# Altium PCB BACKPMANv20.PcbDoc (part 2 of 4)
Units mm, origin at the board's own origin, x right, y up, seen from the top; angles counter-clockwise.
Board outline 113 x 160 mm, 4 copper layers (Component Side, Layer 1, Layer 2, Bottom Layer), stack 1.707 mm thick; 341 components, 232 nets, 1177 pads, 728 vias.
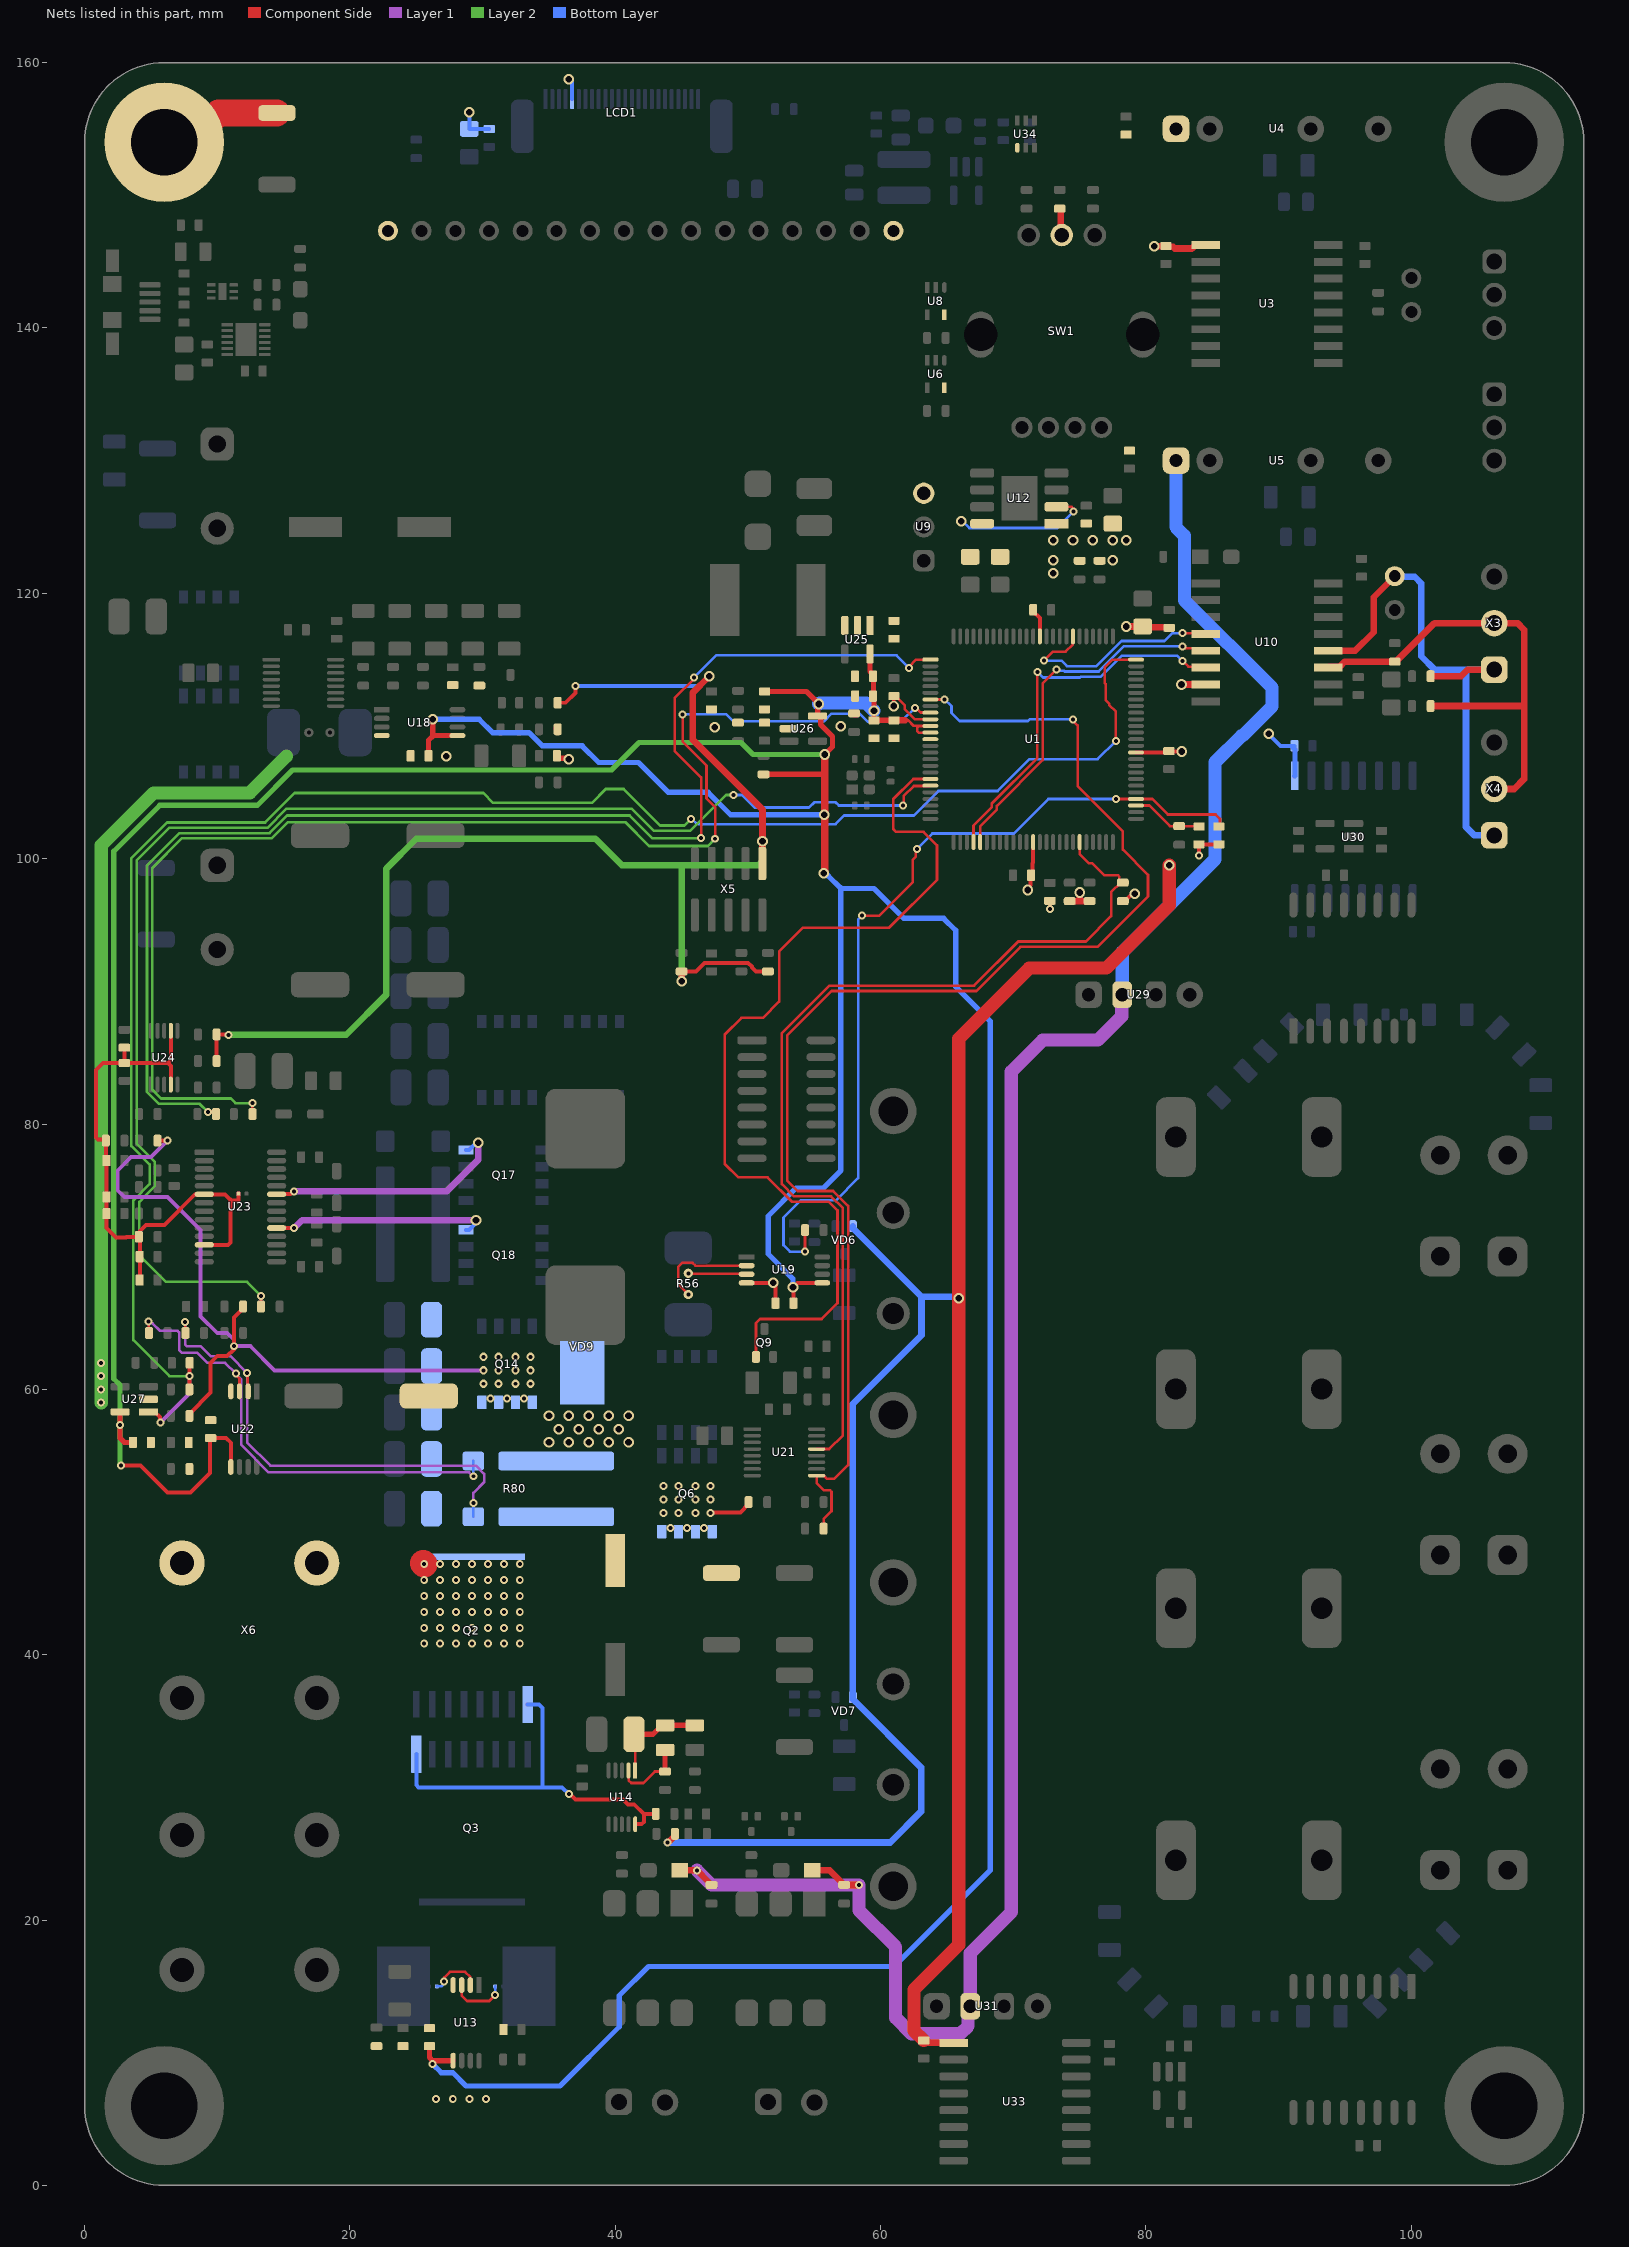
[diagram p4: the nets of this part, all layers, seen from the top]

## Part data (continued)
C26 C29 C51 C52 C76 C77 C87 C88 C97 C98 C103: library part GCM188L81H104KA57D, "0.1µF, ±10%, 50V, X8L, 0603 (1608 Metric), -55°C ~ 150°C, -, Automotive", Manufacturer="Murata Electronics North America", Operating Temperature="-55°C ~ 150°C", Package / Case="0603 (1608 Metric)", PartNum=490-6049-1-ND, Temperature Coefficient=X8L, Tolerance=±10%, Voltage - Rated=50V, Distributor=Digi-Key, Features=-, Part Number=GCM188L81H104KA57D, PartName=GCM188L81H104KA57D, Price=0.06240
C27 C53: "330 uF, 50V, 120 mOhm @ 100kHz, 585 mA, 10x10, -50...+105 C", Manufacturer="Panasonic Electronic Components", Tolerance=±20%, Voltage="50 V", Distributor=Digi-Key, PartName=EEE-FT1H331GP, PartNum=EEE-FT1H331GP, Price=1.22$
C28 C54 C62 C63 C64 C65 C66 C69 C70 C71 C72 C73 C75: library part C3225X7S1H106K250AB, "10µF, ±10%, 50V, X7S, 1210 (3225 Metric), -55°C ~ 125°C, Low ESL, General Purpose", Manufacturer="TDK Corporation", Operating Temperature="-55°C ~ 125°C", Package / Case="1210 (3225 Metric)", PartNum=445-4536-1-ND, Temperature Coefficient=X7S, Tolerance=±10%, Voltage - Rated=50V, Distributor=Digi-Key, Features="Low ESL", PartName=C3225X7S1H106K250AB, Part Number=C3225X7S1H106K250AB, Price=0.71160
C33 C34: "47 pF, 50V, 5%, NP0 SMD, -55°C ~ 150°C, 0603", Manufacturer="TDK Corporation", PartNum=445-14081-1-ND, Tolerance=5%, Voltage="50 V", Distributor=Digi-Key, PartName=C1608NP01H470J080AA, Price=0.04$
C47: "10 uF, 6.3V, X5R, 10%, 0805", Manufacturer=Murata, PartNum=490-1717-1-ND, Tolerance=10%, Voltage=6.3V, Distributor=Digi-Key, PartName=GRM21BR60J106KE19L, Price=0.4$
C55 C56: library part CL10B102KB8NNWC, "1000pF, ±10%, 50V, X7R, 0603 (1608 Metric), -55°C ~ 125°C, -, General Purpose", Manufacturer="Samsung Electro-Mechanics", Operating Temperature="-55°C ~ 125°C", Package / Case="0603 (1608 Metric)", PartNum=1276-1915-1-ND, Temperature Coefficient=X7R, Tolerance=±10%, Voltage - Rated=50V, Distributor=Digi-Key, Features=-, PartName=CL10B102KB8NNWC, Part Number=CL10B102KB8NNWC, Price=0.01410
C60 C104 C105 C106 C108 C109: library part CL10B105KO8NNNC, "1µF, ±10%, 16V, X7R, 0603 (1608 Metric), -55°C ~ 125°C, -, General Purpose", Manufacturer="Samsung Electro-Mechanics", Operating Temperature="-55°C ~ 125°C", Package / Case="0603 (1608 Metric)", PartNum=1276-1019-1-ND, Temperature Coefficient=X7R, Tolerance=±10%, Voltage - Rated=16V, Distributor=Digi-Key, Features=-, PartName=CL10B105KO8NNNC, Part Number=CL10B105KO8NNNC, Price=0.02250
C61 C67 C68: "220 uF, 50V, 13 mOhm, 3.7 A 100kHz, 16.8 mm height, 10.3x10.3 mm, -55...+105 C", Manufacturer="Panasonic Electronic Components", PartNum=P124104CT-ND, Tolerance=±20%, Voltage="50 V", Distributor=Digi-Key, PartName=EEH-ZS1H221P, Price=2.54$
C78: library part 885012006054, "33pF, ±5%, 50V, C0G, NP0, 0603 (1608 Metric), -55°C ~ 125°C, -, General Purpose", Manufacturer="Wurth Electronics Inc.", Operating Temperature="-55°C ~ 125°C", Package / Case="0603 (1608 Metric)", PartNum=732-7796-1-ND, Temperature Coefficient="C0G, NP0", Tolerance=±5%, Voltage - Rated=50V, Distributor=Digi-Key, Features=-, PartName=885012006054, Part Number=885012006054, Price=0.02150
C79: library part CL10C300JB8NCNC, "30pF, ±5%, 50V, C0G, NP0, 0603 (1608 Metric), -55°C ~ 125°C, -, General Purpose", Manufacturer="Samsung Electro-Mechanics", Operating Temperature="-55°C ~ 125°C", Package / Case="0603 (1608 Metric)", PartNum=1276-2260-1-ND, Temperature Coefficient="C0G, NP0", Tolerance=±5%, Voltage - Rated=50V, Distributor=Digi-Key, Features=-, Part Number=CL10C300JB8NCNC, PartName=CL10C300JB8NCNC, Price=0.01670
C80 C81: library part C0603C103K3RACTU, "10000pF, ±10%, 25V, X7R, 0603 (1608 Metric), -55°C ~ 125°C, -, General Purpose", Manufacturer=KEMET, Operating Temperature="-55°C ~ 125°C", Package / Case="0603 (1608 Metric)", PartNum=399-7840-1-ND, Temperature Coefficient=X7R, Tolerance=±10%, Voltage - Rated=25V, Distributor=Digi-Key, Features=-, Part Number=C0603C103K3RACTU, PartName=C0603C103K3RACTU, Price=0.01690
C82 C83 C85: library part GRM188R71C224KA01J, "0.22µF, ±10%, 16V, X7R, 0603 (1608 Metric), -55°C ~ 125°C, -, General Purpose", Manufacturer="Murata Electronics North America", Operating Temperature="-55°C ~ 125°C", Package / Case="0603 (1608 Metric)", PartNum=490-11513-1-ND, Temperature Coefficient=X7R, Tolerance=±10%, Voltage - Rated=16V, Distributor=Digi-Key, Features=-, Part Number=GRM188R71C224KA01J, PartName=GRM188R71C224KA01J, Price=0.06940
C84: library part C1608X5R1E106M080AC, "10µF, ±20%, 25V, X5R, 0603 (1608 Metric), -55°C ~ 85°C, Low ESL, General Purpose", Manufacturer="TDK Corporation", Operating Temperature="-55°C ~ 85°C", Package / Case="0603 (1608 Metric)", PartNum=445-9015-1-ND, Temperature Coefficient=X5R, Tolerance=±20%, Voltage - Rated=25V, Distributor=Digi-Key, Features="Low ESL", PartName=C1608X5R1E106M080AC, Part Number=C1608X5R1E106M080AC, Price=0.48300
C95 C96 C100: library part EMK107BJ105KA-T, "1µF, ±10%, 16V, X5R, 0603 (1608 Metric), -55°C ~ 85°C, -, General Purpose", Manufacturer="Taiyo Yuden", Operating Temperature="-55°C ~ 85°C", Package / Case="0603 (1608 Metric)", PartNum=587-1251-1-ND, Temperature Coefficient=X5R, Tolerance=±10%, Voltage - Rated=16V, Distributor=Digi-Key, Features=-, Part Number=EMK107BJ105KA-T, PartName=EMK107BJ105KA-T, Price=0.02330
C101 C102: library part CC0603JRX7R9BB473, "0.047µF, ±5%, 50V, X7R, 0603 (1608 Metric), -55°C ~ 125°C, -, General Purpose", Manufacturer=Yageo, Operating Temperature="-55°C ~ 125°C", Package / Case="0603 (1608 Metric)", PartNum=311-4019-1-ND, Temperature Coefficient=X7R, Tolerance=±5%, Voltage - Rated=50V, Distributor=Digi-Key, Features=-, Part Number=CC0603JRX7R9BB473, PartName=CC0603JRX7R9BB473, Price=0.03660
C113 C114: "4700pF ±10% 1000V (1kV) Ceramic Capacitor X7R 0805 (2012 Metric),-55°C ~ 125°C", Manufacturer=KEMET, PartNum=399-6470-1-ND, Tolerance=10%, Voltage=1000V, Distributor=Digi-Key, PartName=C0805V472KDRACTU, Price=0.3$
E3 E4: library part "823 560 501 01", "SUPPRESSOR ESD 5VDC, 56pF,  0603, -40..+85C", Manufacturer="Würth Elektronik", Voltage=5V, Distributor="Würth Elektronik", PartName="823 560 505 60", PartNum="823 560 505 60"
F1: "PTC RESETTABLE 60V 750MA, It=1.5A, 0.3s 2920(7351)", Manufacturer="Bel Fuse Inc.", PartNum=507-1743-1-ND, Distributor=Digi-Key, PartName=0ZCF0075AF2C
J1 J2: library part Jumper, "2 Pos. 2.54 mm Single Row Through Hole Straight Pin Header", Manufacturer="ADAM TECH", Distributor=Future, PartName=PH1-02-TA-HT, PartNum=PH1-02-TA-HT, Price="0.02 Euro"
  J2: Price50="0.02 Euro", Price100="0.02 Euro", Price1000="0.02 Euro"
K1 K2: "General Purpose Relay 3PST-2NO/1NC (2 Form A, 1 Form B) 24VDC Coil Through Hole, Coil Resistance 306 Ohms, Contact Rating (Current) 35A, -40°C ~ 55°C", Manufacturer="Panasonic Electric Works", PartNum=255-5914-ND, Distributor=Digi-Key, PartName=AHES4292, Price=21.7
L1: "10uH, 890 mA, 0.228 Ohm, +-20%,- 40 C to + 105 C", Manufacturer="TDK Corporation", PartNum=445-6681-1-ND, Tolerance=±20%, Distributor=Mouser, PartName=VLS4012ET-100M
L3 L6: "Ferrite bead, 330 Ohm, 100 MHz,  1.5 A, 0.07 Ohm", Manufacturer="Murata Electronics North America", Tolerance=25%, Distributor=Future, PartName=BLM18SG331TN1D, PartNum=BLM18SG331TN1D, Price="0.03 Euro"
L4: "FERRITE BEAD 600 OHM, 0805, -55°C ~ 125°C", Manufacturer="TDK Corporation", PartNum=445-2206-1-ND, Distributor=Digi-Key, PartName=MPZ2012S601AT000, Price=0.05$
L5: "2.6 uH, 31.5 A, ±20%, 1.58 mOhm, -40°C ~ 125°C", Manufacturer="Würth Elektronik", PartNum=732-2170-1-ND, Tolerance=±20%, Distributor=Digi-Key, PartName=7443556260, Price=5.35$
LCD1: "1.5\"OLED Display Serial 128x64 Module,SSD1309,White on Black", Manufacturer="Orient Display", PartName=AOM12864A0-1.54WW, PartNum=2544-AOM12864A0-1.54WW-ND, Distributor=Digi-Key
LED1 LED2 LED13 LED17: "0805 red LED, hibright, 2 mA, 1.8V, 130°", Manufacturer=Rohm, PartNum=511-1292-1-ND, Distributor=Digi-Key, PartName=SML-211UTT86, Price=0.34$
OPT1 OPT2: "Opto relay, SPST-NO, AC DC, 250 mOhm, 2A, 0-60V, 6-SMD, -55..50C", Manufacturer="Vishay Semiconductor Opto Division", PartNum=VO14642AABCT-ND, Distributor=DigiKey, PartName=VO14642AABTR, Price=2.9$
Q1 Q4: "NPN 50V 100MA SOT-523F", Manufacturer="Fairchild Semiconductor", PartNum=FJY3002RCT-ND, Distributor=Digi-Key, Price=0.11$
Q2 Q3: library part IPT007N06NATMA1, "MOSFET N CH 60V 300A, 0.75 mOhm @ 150A 10V, 287nC @ 10V, PG-HSOF-8-1, -55°C ~ 175°C", Manufacturer="Infineon Technologies", PartNum=IPT007N06NATMA1CT-ND, Distributor=Digi-Key, PartName=IPT007N06NATMA1, Price=5.9$
Q5 Q6 Q7 Q8: library part NVMFS5C604NLAFT1G, "MOSFET N-CH, 287 A, 60V, Vgs=±20V, 1.2 mOhm, 52nC @ 4.5V, 5-DFN (5x6), -55°C ~ 175°C", Manufacturer="Texas Instruments", PartNum=NVMFS5C604NLAFT1GOSCT-ND, Distributor=Digi-Key, PartName=NVMFS5C604NLAFT1G, Price=2.68$
Q9 Q10: "MOSFETs N-CH, 2V @ 1mA, 6 Ohm @ 170mA, 10V, 170mA, 100V, SOT-323,  -55°C ~ 150°C", Manufacturer="Diodes Incorporated", PartNum=BSS123WQ-7-FDICT-ND, Distributor=Digi-Key, PartName=BSS123WQ-7-F, Price=0.2$
Q12 Q13 Q18: library part IPZ40N04S5L4R8ATMA1, "MOSFET N-CH, 40 A, 40V, Vgs=±16V, 4.8 mOhm, 29nC @ 10V, 8-PowerVDFN, -55°C ~ 150°C", Manufacturer="Texas Instruments", PartNum=IPZ40N04S5L4R8ATMA1CT-ND, Distributor=Digi-Key, PartName=IPZ40N04S5L4R8ATMA1, Price="2.32 Euro", Supplier 1=Digi-Key, Supplier Part Number 1=IPZ40N04S5L4R8ATMA1CT-ND
Q14 Q17: "MOSFET N-CH, 100 A, 60V, Vgs=±20V, 1.8 mOhm, 41nC @ 10V, 5-DFN (5x6), -55°C ~ 150°C", Manufacturer="Texas Instruments", PartNum=296-37963-1-ND, Distributor=Digi-Key, PartName=CSD18540Q5BT, Price="2.32 Euro", Supplier 1=Digi-Key, Supplier Part Number 1=296-37963-1-ND
R2 R71 R77: "0 R, Jumper, 0603, SMD Resistor, -55°C ~ 155°C", Manufacturer=Yageo, PartNum=311-0.0HRCT-ND, Voltage="75 V", Distributor=Digi-Key, PartName=RC0603FR-070RL, Price=0.005$
R3: library part RMCF0603FT910K, "910 kOhms, ±1%, 0.1W, 1/10W, Thick Film, ±100ppm/°C, 0603 (1608 Metric), -55°C ~ 155°C, Automotive AEC-Q200", Manufacturer="Stackpole Electronics Inc.", Operating Temperature="-55°C ~ 155°C", Package / Case="0603 (1608 Metric)", PartNum=RMCF0603FT910KCT-ND, Power (Watts)="0.1W, 1/10W", Temperature Coefficient=±100ppm/°C, Tolerance=±1%, Voltage=75V, Distributor=Digi-Key, Features="Automotive AEC-Q200", PartName=RMCF0603FT910K, Part Number=RMCF0603FT910K, Price=0.00690
R4 R96: library part RMCF0603FT220K, "220 kOhms, ±1%, 0.1W, 1/10W, Thick Film, ±100ppm/°C, 0603 (1608 Metric), -55°C ~ 155°C, Automotive AEC-Q200", Manufacturer="Stackpole Electronics Inc.", Operating Temperature="-55°C ~ 155°C", Package / Case="0603 (1608 Metric)", PartNum=RMCF0603FT220KCT-ND, Power (Watts)="0.1W, 1/10W", Temperature Coefficient=±100ppm/°C, Tolerance=±1%, Voltage=75V, Distributor=Digi-Key, Features="Automotive AEC-Q200", PartName=RMCF0603FT220K, Part Number=RMCF0603FT220K, Price=0.00690
R5: library part RMCF0603FT24K9, "24.9 kOhms, ±1%, 0.1W, 1/10W, Thick Film, ±100ppm/°C, 0603 (1608 Metric), -55°C ~ 155°C, Automotive AEC-Q200", Manufacturer="Stackpole Electronics Inc.", Operating Temperature="-55°C ~ 155°C", Package / Case="0603 (1608 Metric)", PartNum=RMCF0603FT24K9CT-ND, Power (Watts)="0.1W, 1/10W", Temperature Coefficient=±100ppm/°C, Tolerance=±1%, Voltage=75V, Distributor=Digi-Key, Features="Automotive AEC-Q200", PartName=RMCF0603FT24K9, Part Number=RMCF0603FT24K9, Price=0.00690
R6 R7 R20 R67 R83 R97 R98: library part RMCF0603FT4K70, "4.7 kOhms, ±1%, 0.1W, 1/10W, Thick Film, ±100ppm/°C, 0603 (1608 Metric), -55°C ~ 155°C, Automotive AEC-Q200", Manufacturer="Stackpole Electronics Inc.", Operating Temperature="-55°C ~ 155°C", Package / Case="0603 (1608 Metric)", PartNum=RMCF0603FT4K70CT-ND, Power (Watts)="0.1W, 1/10W", Temperature Coefficient=±100ppm/°C, Tolerance=±1%, Voltage=75V, Distributor=Digi-Key, Features="Automotive AEC-Q200", PartName=RMCF0603FT4K70, Part Number=RMCF0603FT4K70, Price=0.00690
R8 R15 R16: library part RMCF0603FT120R, "120 Ohms, ±1%, 0.1W, 1/10W, Thick Film, ±100ppm/°C, 0603 (1608 Metric), -55°C ~ 155°C, Automotive AEC-Q200", Manufacturer="Stackpole Electronics Inc.", Operating Temperature="-55°C ~ 155°C", Package / Case="0603 (1608 Metric)", PartNum=RMCF0603FT120RCT-ND, Power (Watts)="0.1W, 1/10W", Temperature Coefficient=±100ppm/°C, Tolerance=±1%, Voltage=75V, Distributor=Digi-Key, Features="Automotive AEC-Q200", PartName=RMCF0603FT120R, Part Number=RMCF0603FT120R, Price=0.00690
R9: "1 M,  ±1%, ±100ppm/°C, Thick Film, -55°C ~ 155°C, 0402", Manufacturer=Yageo, PartNum=311-1.00MLRCT-ND, Tolerance=1%, Distributor=Digi-Key, PartName=RC0402FR-071ML
R10 R11 R12 R13 R14 R17: "10 K, 1%, 0603, SMD Resistor, Taped", Manufacturer=Vishay, Tolerance=1%, Voltage="75 V", Distributor=Schukat, PartNum=RL0603K010-1, Price="0.002 Euro"
R18 R25: library part RMCF0603FT1K50, "1.5 kOhms, ±1%, 0.1W, 1/10W, Thick Film, ±100ppm/°C, 0603 (1608 Metric), -55°C ~ 155°C, Automotive AEC-Q200", Manufacturer="Stackpole Electronics Inc.", Operating Temperature="-55°C ~ 155°C", Package / Case="0603 (1608 Metric)", PartNum=RMCF0603FT1K50CT-ND, Power (Watts)="0.1W, 1/10W", Temperature Coefficient=±100ppm/°C, Tolerance=±1%, Voltage=75V, Distributor=Digi-Key, Features="Automotive AEC-Q200", PartName=RMCF0603FT1K50, Part Number=RMCF0603FT1K50, Price=0.00690
R19 R26: "1 K, 1%, 0603, SMD Resistor, Taped", Manufacturer=Vishay, Tolerance=1%, Voltage="75 V", Distributor=Schukat, PartNum=RL0603K001-1, Price="0.002 Euro"
R21 R85 R87 R103 R104 R105: library part RMCF0603FG1K00, "1 kOhms, ±1%, 0.1W, 1/10W, Thick Film, ±100ppm/°C, 0603 (1608 Metric), -55°C ~ 155°C, Automotive AEC-Q200", Manufacturer="Stackpole Electronics Inc.", Operating Temperature="-55°C ~ 155°C", Package / Case="0603 (1608 Metric)", PartNum=RMCF0603FG1K00CT-ND, Power (Watts)="0.1W, 1/10W", Temperature Coefficient=±100ppm/°C, Tolerance=±1%, Voltage=75V, Distributor=Digi-Key, Features="Automotive AEC-Q200", PartName=RMCF0603FG1K00, Part Number=RMCF0603FG1K00, Price=0.00690
R23 R51 R53 R61 R75 R81: library part RMCF1206FT100K, "100 kOhms, ±1%, 0.25W, 1/4W, Thick Film, ±100ppm/°C, 1206 (3216 Metric), -55°C ~ 155°C, Automotive AEC-Q200", Manufacturer="Stackpole Electronics Inc.", Operating Temperature="-55°C ~ 155°C", Package / Case="1206 (3216 Metric)", PartNum=RMCF1206FT100KCT-ND, Power (Watts)="0.25W, 1/4W", Temperature Coefficient=±100ppm/°C, Tolerance=±1%, Voltage=200V, Distributor=Digi-Key, Features="Automotive AEC-Q200", PartName=RMCF1206FT100K, Part Number=RMCF1206FT100K, Price=0.01410
R24: "Curr.sens.res. 0.001 OHM 5W 1% 4527 SMD", Manufacturer=Vishay/Dale, PartNum=WSRC-.001CT-ND, Tolerance=1%, Distributor=Digi-Key, PartName=WSR51L000FEA, Price=5.27$
R27 R30 R31 R62 R68 R72 R76 R78 R89 R99: library part CR0603-FX-1002GLF, "10 kOhms, ±1%, 0.1W, 1/10W, Thick Film, ±100ppm/°C, 0603 (1608 Metric), -55°C ~ 155°C, Moisture Resistant", Manufacturer="Bourns Inc.", Operating Temperature="-55°C ~ 155°C", Package / Case="0603 (1608 Metric)", PartNum=CR0603-FX-1002GLFCT-ND, Power (Watts)="0.1W, 1/10W", Temperature Coefficient=±100ppm/°C, Tolerance=±1%, Voltage=75V, Distributor=Digi-Key, Features="Moisture Resistant", PartName=CR0603-FX-1002GLF, Part Number=CR0603-FX-1002GLF, Price=0.00860
R28 R29: library part CRCW08055M60FKEA, "5.6 MOhms, ±1%, 0.125W, 1/8W, Thick Film, ±100ppm/°C, 0805 (2012 Metric), -55°C ~ 155°C, Automotive AEC-Q200", Manufacturer="Vishay Dale", Operating Temperature="-55°C ~ 155°C", Package / Case="0805 (2012 Metric)", PartNum=541-5.60MCCT-ND, Power (Watts)="0.125W, 1/8W", Temperature Coefficient=±100ppm/°C, Tolerance=±1%, Voltage=150V, Distributor=Digi-Key, Features="Automotive AEC-Q200", PartName=CRCW08055M60FKEA, Part Number=CRCW08055M60FKEA, Price=0.02230
R32: library part RMCF0603FT191K, "191 kOhms, ±1%, 0.1W, 1/10W, Thick Film, ±100ppm/°C, 0603 (1608 Metric), -55°C ~ 155°C, Automotive AEC-Q200", Manufacturer="Stackpole Electronics Inc.", Operating Temperature="-55°C ~ 155°C", Package / Case="0603 (1608 Metric)", PartNum=RMCF0603FT191KCT-ND, Power (Watts)="0.1W, 1/10W", Temperature Coefficient=±100ppm/°C, Tolerance=±1%, Voltage=75V, Distributor=Digi-Key, Features="Automotive AEC-Q200", PartName=RMCF0603FT191K, Part Number=RMCF0603FT191K, Price=0.00690
R33: library part RMCF0603FT86K6, "86.6 kOhms, ±1%, 0.1W, 1/10W, Thick Film, ±100ppm/°C, 0603 (1608 Metric), -55°C ~ 155°C, Automotive AEC-Q200", Manufacturer="Stackpole Electronics Inc.", Operating Temperature="-55°C ~ 155°C", Package / Case="0603 (1608 Metric)", PartNum=RMCF0603FT86K6CT-ND, Power (Watts)="0.1W, 1/10W", Temperature Coefficient=±100ppm/°C, Tolerance=±1%, Voltage=75V, Distributor=Digi-Key, Features="Automotive AEC-Q200", PartName=RMCF0603FT86K6, Part Number=RMCF0603FT86K6, Price=0.00690
R35 R35_1 R36 R39 R40 R40_1 R44 R44_1 R45 R47 R48 R48_1: library part RMCF1206FT330K, "330 kOhms, ±1%, 0.25W, 1/4W, Thick Film, ±100ppm/°C, 1206 (3216 Metric), -55°C ~ 155°C, Automotive AEC-Q200", Manufacturer="Stackpole Electronics Inc.", Operating Temperature="-55°C ~ 155°C", Package / Case="1206 (3216 Metric)", PartNum=RMCF1206FT330KCT-ND, Power (Watts)="0.25W, 1/4W", Temperature Coefficient=±100ppm/°C, Tolerance=±1%, Voltage=200V, Distributor=Digi-Key, Features="Automotive AEC-Q200", Part Number=RMCF1206FT330K, PartName=RMCF1206FT330K, Price=0.01500
R37 R46: library part RMCF0603FT1K80, "1.8 kOhms, ±1%, 0.1W, 1/10W, Thick Film, ±100ppm/°C, 0603 (1608 Metric), -55°C ~ 155°C, Automotive AEC-Q200", Manufacturer="Stackpole Electronics Inc.", Operating Temperature="-55°C ~ 155°C", Package / Case="0603 (1608 Metric)", PartNum=RMCF0603FT1K80CT-ND, Power (Watts)="0.1W, 1/10W", Temperature Coefficient=±100ppm/°C, Tolerance=±1%, Voltage=75V, Distributor=Digi-Key, Features="Automotive AEC-Q200", PartName=RMCF0603FT1K80, Part Number=RMCF0603FT1K80, Price=0.00690
R38 R50: "300 R, 1%, 0.1 W, 0603, SMD Resistor, Taped", Manufacturer=Vishay/Dale, PartNum=541-300HDKR-ND, Tolerance=1%, Voltage="75 V", Distributor=DigiKey, PartName=CRCW0603300RFKEA, Price=0.017$
R42 R43: "27 R, 1%, 0603, SMD,  -55°C ~ 155°C", Manufacturer=Yageo, PartNum=311-27.0HRCT-ND, Tolerance=1%, Voltage="75 V", Distributor=Digi-Key, PartName=RC0603FR-0727RL, Price="0.002 Euro"
R49: "120 R, 1%, 0603, SMD Resistor, Taped", Manufacturer=Vishay, PartName=RL0603E120, Tolerance=±1%, Voltage="75 V", Distributor=Schukat, PartNum=RL0603E120
R52 R54: "4.7 K, 1%, 0603, SMD Resistor, Taped", Manufacturer="Vishay Dale", PartName=CRCW06034K70JNEA, PartNum=541-4.7KGDKR-ND, Tolerance=1%, Voltage="75 V", Distributor=Digi-Key
R55 R56: library part WSLF25122L000FEA, "2 mOhms, ±1%, 5W, Metal Element, ±70ppm/°C, 2512 (6432 Metric), -65°C ~ 170°C, Current Sense, Moisture Resistant, Pulse Withstanding", Manufacturer="Vishay Dale", Operating Temperature="-65°C ~ 170°C", Package / Case="2512 (6432 Metric)", PartNum=541-3126-1-ND, Power (Watts)=5W, Temperature Coefficient=±70ppm/°C, Tolerance=±1%, Distributor=Digi-Key, Features="Current Sense, Moisture Resistant, Pulse Withstanding", Part Number=WSLF25122L000FEA, PartName=WSLF25122L000FEA, Price=0.43430
R57: library part RMCF1206FT200K, "200 kOhms, ±1%, 0.25W, 1/4W, Thick Film, ±100ppm/°C, 1206 (3216 Metric), -55°C ~ 155°C, Automotive AEC-Q200", Manufacturer="Stackpole Electronics Inc.", Operating Temperature="-55°C ~ 155°C", Package / Case="1206 (3216 Metric)", PartNum=RMCF1206FT200KCT-ND, Power (Watts)="0.25W, 1/4W", Temperature Coefficient=±100ppm/°C, Tolerance=±1%, Voltage=200V, Distributor=Digi-Key, Features="Automotive AEC-Q200", PartName=RMCF1206FT200K, Part Number=RMCF1206FT200K, Price=0.01410
R59: library part RMCF1206FG150K, "150 kOhms, ±1%, 0.25W, 1/4W, Thick Film, ±100ppm/°C, 1206 (3216 Metric), -55°C ~ 155°C, Automotive AEC-Q200", Manufacturer="Stackpole Electronics Inc.", Operating Temperature="-55°C ~ 155°C", Package / Case="1206 (3216 Metric)", PartNum=RMCF1206FG150KCT-ND, Power (Watts)="0.25W, 1/4W", Temperature Coefficient=±100ppm/°C, Tolerance=±1%, Voltage=200V, Distributor=Digi-Key, Features="Automotive AEC-Q200", PartName=RMCF1206FG150K, Part Number=RMCF1206FG150K, Price=0.01500
R60: library part RMCF0603FT54K9, "54.9 kOhms, ±1%, 0.1W, 1/10W, Thick Film, ±100ppm/°C, 0603 (1608 Metric), -55°C ~ 155°C, Automotive AEC-Q200", Manufacturer="Stackpole Electronics Inc.", Operating Temperature="-55°C ~ 155°C", Package / Case="0603 (1608 Metric)", PartNum=RMCF0603FT54K9CT-ND, Power (Watts)="0.1W, 1/10W", Temperature Coefficient=±100ppm/°C, Tolerance=±1%, Voltage=75V, Distributor=Digi-Key, Features="Automotive AEC-Q200", PartName=RMCF0603FT54K9, Part Number=RMCF0603FT54K9, Price=0.00690
R64 R66 R84: library part RMCF0805FT10R0, "10 Ohms, ±1%, 0.125W, 1/8W, Thick Film, ±100ppm/°C, 0805 (2012 Metric), -55°C ~ 155°C, Automotive AEC-Q200", Manufacturer="Stackpole Electronics Inc.", Operating Temperature="-55°C ~ 155°C", Package / Case="0805 (2012 Metric)", PartNum=RMCF0805FT10R0CT-ND, Power (Watts)="0.125W, 1/8W", Temperature Coefficient=±100ppm/°C, Tolerance=±1%, Voltage=150V, Distributor=Digi-Key, Features="Automotive AEC-Q200", PartName=RMCF0805FT10R0, Part Number=RMCF0805FT10R0, Price=0.00950
R65: library part RMCF0603FT8K66, "8.66 kOhms, ±1%, 0.1W, 1/10W, Thick Film, ±100ppm/°C, 0603 (1608 Metric), -55°C ~ 155°C, Automotive AEC-Q200", Manufacturer="Stackpole Electronics Inc.", Operating Temperature="-55°C ~ 155°C", Package / Case="0603 (1608 Metric)", PartNum=RMCF0603FT8K66CT-ND, Power (Watts)="0.1W, 1/10W", Temperature Coefficient=±100ppm/°C, Tolerance=±1%, Voltage=75V, Distributor=Digi-Key, Features="Automotive AEC-Q200", PartName=RMCF0603FT8K66, Part Number=RMCF0603FT8K66, Price=0.00690
R69 R70: library part RC1206FR-075M6L, "5.6 MOhms, ±1%, 0.25W, 1/4W, Thick Film, ±100ppm/°C, 1206 (3216 Metric), -55°C ~ 155°C, Moisture Resistant", Manufacturer=Yageo, Operating Temperature="-55°C ~ 155°C", Package / Case="1206 (3216 Metric)", PartNum=311-5.60MFRCT-ND, Power (Watts)="0.25W, 1/4W", Temperature Coefficient=±100ppm/°C, Tolerance=±1%, Voltage=200V, Distributor=Digi-Key, Features="Moisture Resistant", PartName=RC1206FR-075M6L, Part Number=RC1206FR-075M6L, Price=0.03010
R73: library part RMCF0603FT510K, "510 kOhms, ±1%, 0.1W, 1/10W, Thick Film, ±100ppm/°C, 0603 (1608 Metric), -55°C ~ 155°C, Automotive AEC-Q200", Manufacturer="Stackpole Electronics Inc.", Operating Temperature="-55°C ~ 155°C", Package / Case="0603 (1608 Metric)", PartNum=RMCF0603FT510KCT-ND, Power (Watts)="0.1W, 1/10W", Temperature Coefficient=±100ppm/°C, Tolerance=±1%, Voltage=75V, Distributor=Digi-Key, Features="Automotive AEC-Q200", PartName=RMCF0603FT510K, Part Number=RMCF0603FT510K, Price=0.00690
R74: library part CRCW0603261KFKEA, "261 kOhms, ±1%, 0.1W, 1/10W, Thick Film, ±100ppm/°C, 0603 (1608 Metric), -55°C ~ 155°C, Automotive AEC-Q200", Manufacturer="Vishay Dale", Operating Temperature="-55°C ~ 155°C", Package / Case="0603 (1608 Metric)", PartNum=541-261KHCT-ND, Power (Watts)="0.1W, 1/10W", Temperature Coefficient=±100ppm/°C, Tolerance=±1%, Voltage=75V, Distributor=Digi-Key, Features="Automotive AEC-Q200", PartName=CRCW0603261KFKEA, Part Number=CRCW0603261KFKEA, Price=0.01700
R80 R86: "Curr.sens.res. 0.005 OHM 5W 1% , 4320 (50110 Metric)", Manufacturer=Ohmite, PartNum=588-FC4L110R005FER, Tolerance=1%, Distributor=Digi-Key, PartName=FC4L110R005FER, Price=2.42
R82 R95 R101 R102 R108 R113 R114 R115: library part RMCF0603FT100R, "100 Ohms, ±1%, 0.1W, 1/10W, Thick Film, ±100ppm/°C, 0603 (1608 Metric), -55°C ~ 155°C, Automotive AEC-Q200", Manufacturer="Stackpole Electronics Inc.", Operating Temperature="-55°C ~ 155°C", Package / Case="0603 (1608 Metric)", PartNum=RMCF0603FT100RCT-ND, Power (Watts)="0.1W, 1/10W", Temperature Coefficient=±100ppm/°C, Tolerance=±1%, Voltage=75V, Distributor=Digi-Key, Features="Automotive AEC-Q200", Part Number=RMCF0603FT100R, PartName=RMCF0603FT100R, Price=0.00690
R90: library part RMCF0603FT64K9, "64.9 kOhms, ±1%, 0.1W, 1/10W, Thick Film, ±100ppm/°C, 0603 (1608 Metric), -55°C ~ 155°C, Automotive AEC-Q200", Manufacturer="Stackpole Electronics Inc.", Operating Temperature="-55°C ~ 155°C", Package / Case="0603 (1608 Metric)", PartNum=RMCF0603FT64K9CT-ND, Power (Watts)="0.1W, 1/10W", Temperature Coefficient=±100ppm/°C, Tolerance=±1%, Voltage=75V, Distributor=Digi-Key, Features="Automotive AEC-Q200", Part Number=RMCF0603FT64K9, PartName=RMCF0603FT64K9, Price=0.00690
R93: library part RMCF0603FT27K0, "27 kOhms, ±1%, 0.1W, 1/10W, Thick Film, ±100ppm/°C, 0603 (1608 Metric), -55°C ~ 155°C, Automotive AEC-Q200", Manufacturer="Stackpole Electronics Inc.", Operating Temperature="-55°C ~ 155°C", Package / Case="0603 (1608 Metric)", PartNum=RMCF0603FT27K0CT-ND, Power (Watts)="0.1W, 1/10W", Temperature Coefficient=±100ppm/°C, Tolerance=±1%, Voltage=75V, Distributor=Digi-Key, Features="Automotive AEC-Q200", Part Number=RMCF0603FT27K0, PartName=RMCF0603FT27K0, Price=0.00690
R94: library part RMCF0603FT17K4, "17.4 kOhms, ±1%, 0.1W, 1/10W, Thick Film, ±100ppm/°C, 0603 (1608 Metric), -55°C ~ 155°C, Automotive AEC-Q200", Manufacturer="Stackpole Electronics Inc.", Operating Temperature="-55°C ~ 155°C", Package / Case="0603 (1608 Metric)", PartNum=RMCF0603FT17K4CT-ND, Power (Watts)="0.1W, 1/10W", Temperature Coefficient=±100ppm/°C, Tolerance=±1%, Voltage=75V, Distributor=Digi-Key, Features="Automotive AEC-Q200", Part Number=RMCF0603FT17K4, PartName=RMCF0603FT17K4, Price=0.00690
R100: library part RMCF0603FT8K06, "8.06 kOhms, ±1%, 0.1W, 1/10W, Thick Film, ±100ppm/°C, 0603 (1608 Metric), -55°C ~ 155°C, Automotive AEC-Q200", Manufacturer="Stackpole Electronics Inc.", Operating Temperature="-55°C ~ 155°C", Package / Case="0603 (1608 Metric)", PartNum=RMCF0603FT8K06CT-ND, Power (Watts)="0.1W, 1/10W", Temperature Coefficient=±100ppm/°C, Tolerance=±1%, Voltage=75V, Distributor=Digi-Key, Features="Automotive AEC-Q200", Part Number=RMCF0603FT8K06, PartName=RMCF0603FT8K06, Price=0.00690
R106 R107: library part RT0603BRD07100KL, "100 kOhms, ±0.1%, 0.1W, 1/10W, Thin Film, ±25ppm/°C, 0603 (1608 Metric), -55°C ~ 155°C, -", Manufacturer=Yageo, Operating Temperature="-55°C ~ 155°C", Package / Case="0603 (1608 Metric)", PartNum=YAG1235CT-ND, Power (Watts)="0.1W, 1/10W", Temperature Coefficient=±25ppm/°C, Tolerance=±0.1%, Voltage=75V, Distributor=Digi-Key, Features=-, Part Number=RT0603BRD07100KL, PartName=RT0603BRD07100KL, Price=0.274
R109 R110: library part RT0603BRD071ML, "1 MOhms, ±0.1%, 0.1W, 1/10W, Thin Film, ±25ppm/°C, 0603 (1608 Metric), -55°C ~ 155°C, -", Manufacturer=Yageo, Operating Temperature="-55°C ~ 155°C", Package / Case="0603 (1608 Metric)", PartNum=YAG4498CT-ND, Power (Watts)="0.1W, 1/10W", Temperature Coefficient=±25ppm/°C, Tolerance=±0.1%, Voltage=75V, Distributor=Digi-Key, Features=-, Part Number=RT0603BRD071ML, PartName=RT0603BRD071ML, Price=0.254